# KiCad board 2000ATX.kicad_pcb (continued)
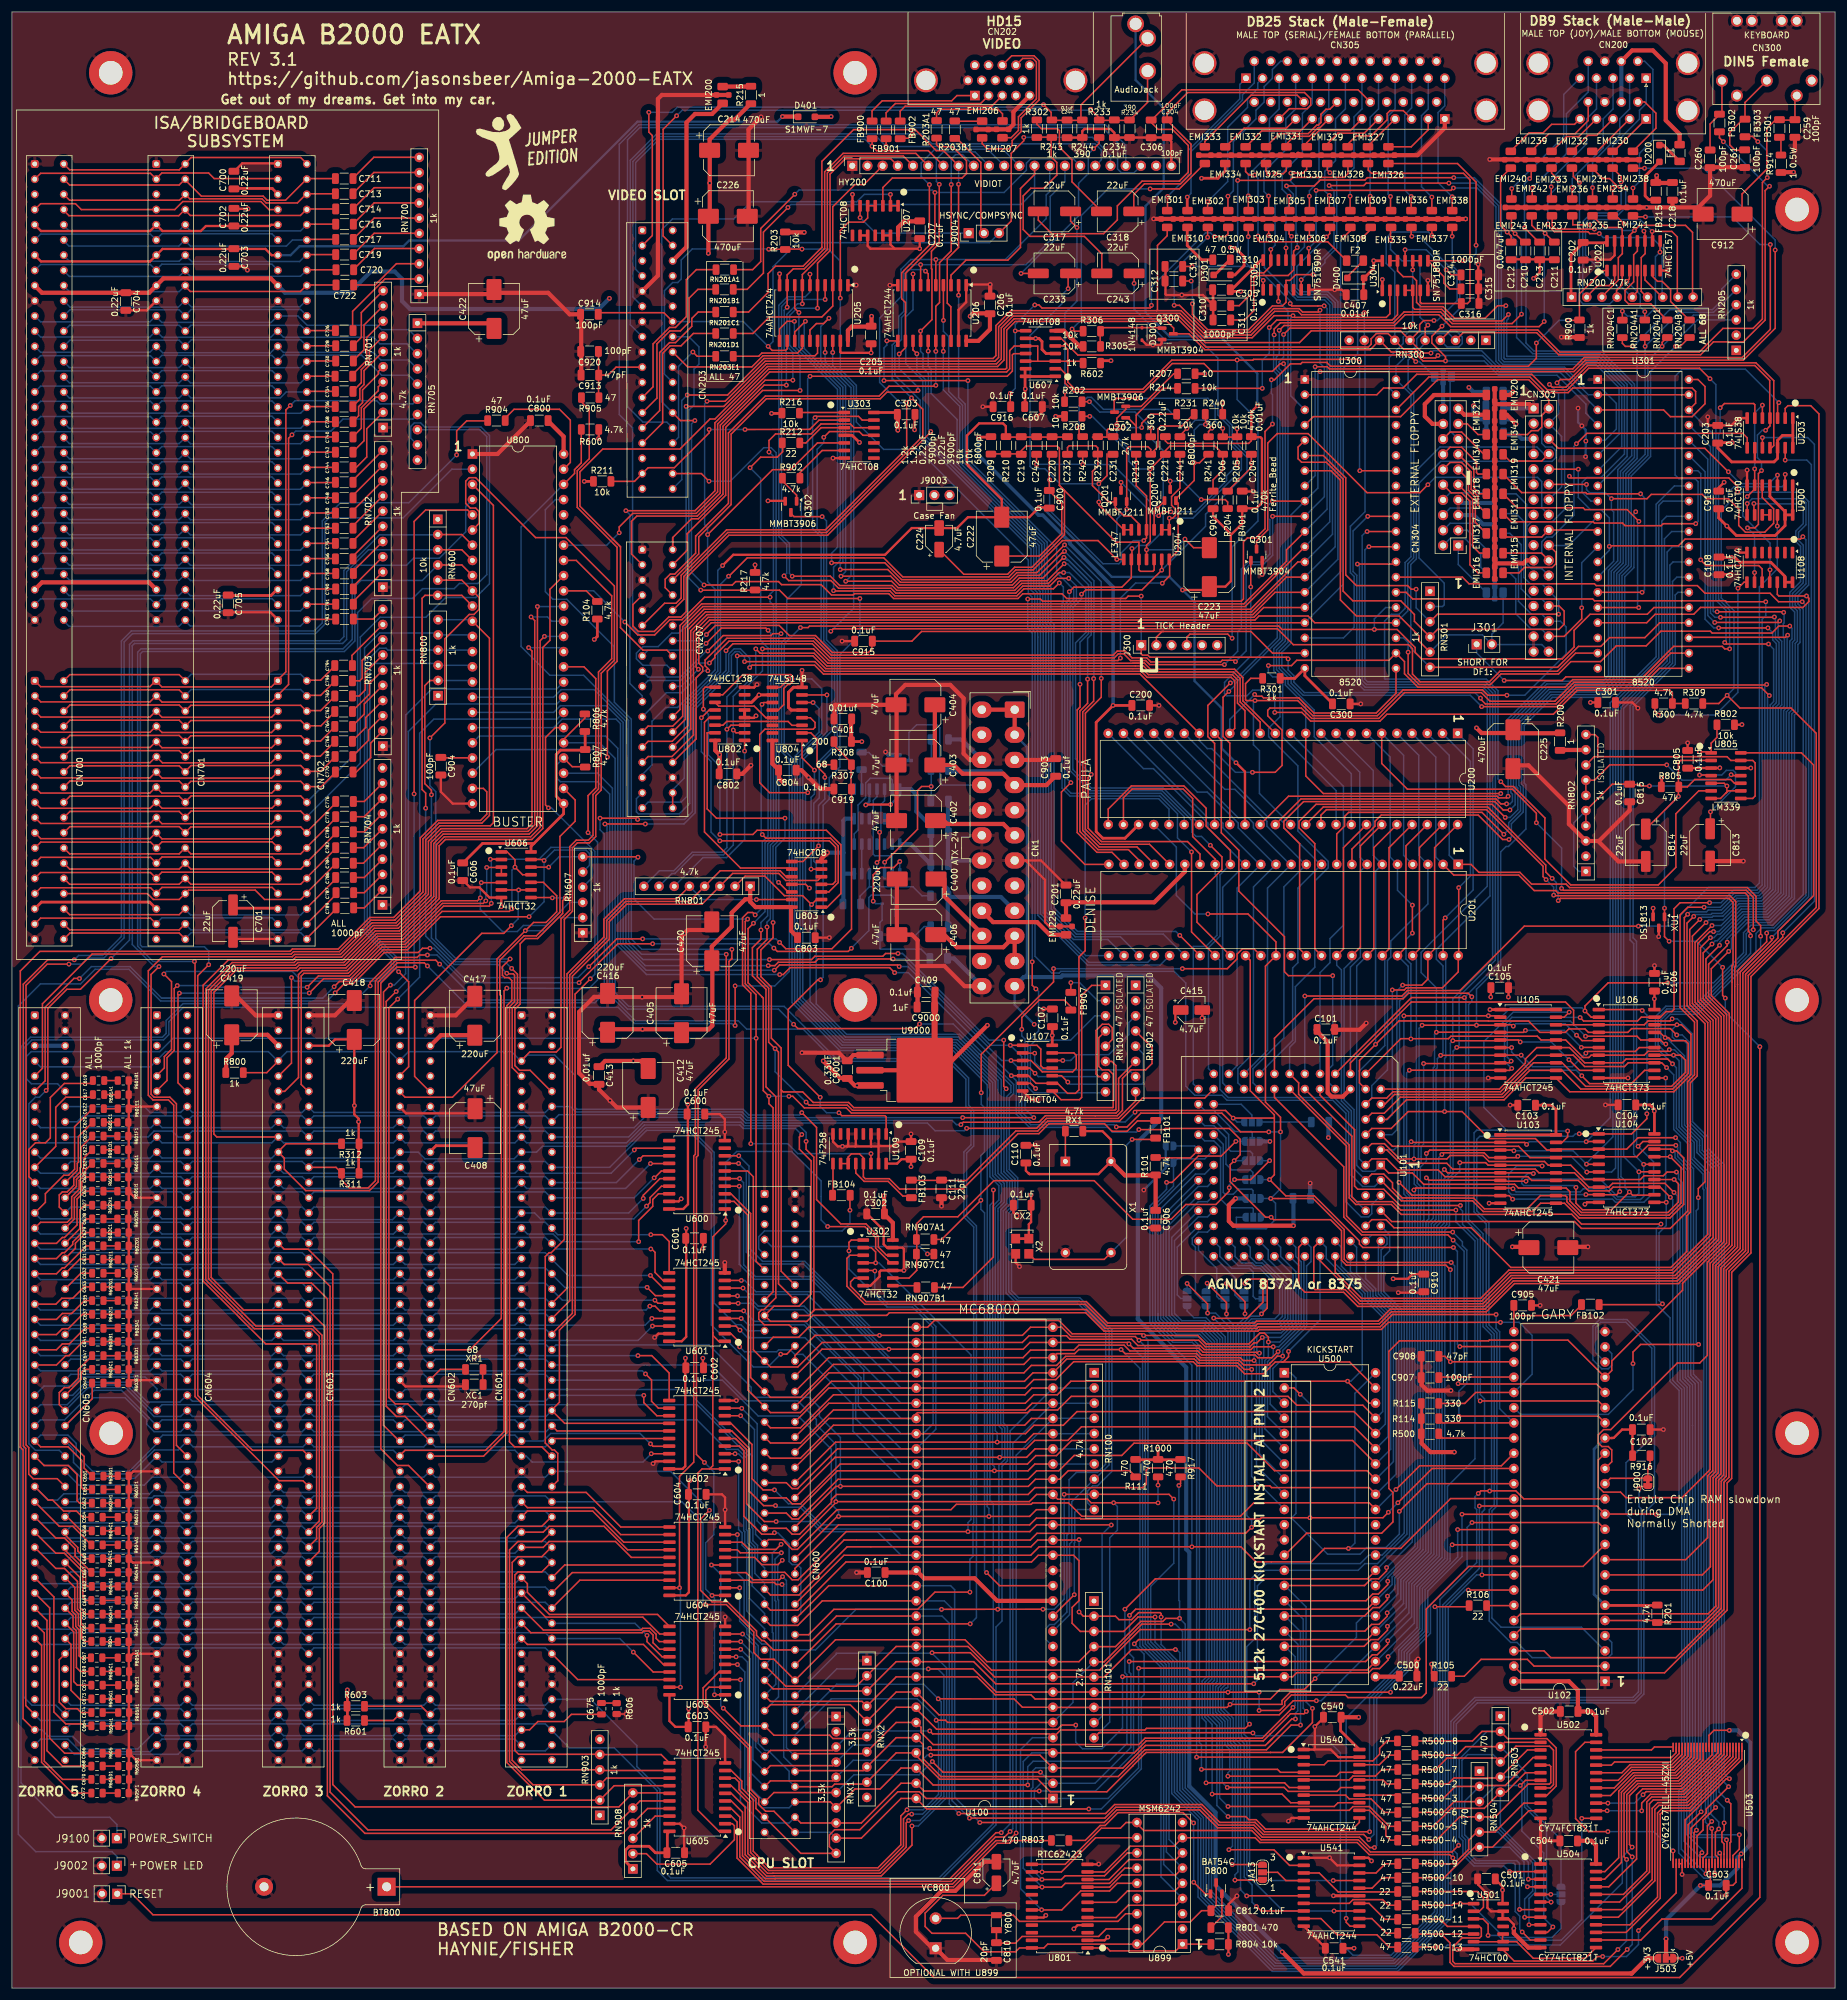
[diagram p0: board, top side]
## Routing (per net, layer and track width the routed paths; a pad name or vN(x,y) marks a point on that pad's centre or on a via; arc(x,y) is an arc through that point) (continued)
A6: length 162.5
  Top w0.25: U600.6 122.99,136.53 123.95,135.57 123.95,106.64 CN600.23 126.81,103.78 131.38,103.78 135.48,107.87 168.92,107.87 170.05,109 176.3,109 176.88,108.42 187.18,108.42 188.24,107.36 198.67,107.36 199.35,106.68 207.13,106.68 207.6,107.15 v1(210.88,107.15)
  Bottom w0.25: U500.5 209.91,95.48 209.91,104.67 210.88,105.64 v1(210.88,107.15) 211.79,107.15 215.55,110.91 215.55,121.34 214.65,122.25 214.65,123.78 U101.65
A7: length 167
  Top w0.25: v1(121.59,133.98) U600.4 ; v1(211.68,106.35) 210.65,105.32 208.3,105.32 207.83,105.78 198.9,105.78 198.23,106.46 186.9,106.46 185.94,107.42 178.38,107.42 177.55,106.6 170.29,106.6 169.03,105.33 136.57,105.33 CN600.28
  Bottom w0.25: v1(121.59,133.98) 121.59,120.95 124.1,118.44 133.63,118.44 146.74,105.33 U100.35 ; 216,122.12 216,110.72 211.68,106.4 v1(211.68,106.35) 211.68,105.81 210.36,104.48 210.36,97.57 U500.4
A8: length 459.2
  Top w0.25: v1(121.94,118.24) U601.9 ; U300.38 236.89,269.2 253.78,269.2 256.39,266.6 260.18,266.6 260.95,267.37 280.91,267.37 281.49,266.78 281.49,264.83 U301.38 ; U101.67 215.12,123.78 215.12,117.32 216.18,116.26 222.65,116.26 225.01,113.9 246.11,113.9 250.83,118.61 278.23,118.61 284.86,125.24 284.86,161.93 281.85,164.94 281.85,174.54 283.85,176.53 v1(284.48,176.53) ; v1(212.45,105.59) 211.56,105.59 210.09,104.13 205.93,104.13 205.17,104.88 198.53,104.88 197.86,105.56 176.17,105.56 174.65,104.04 170.42,104.04 169.18,102.79 136.57,102.79 CN600.30 ; v1(285.09,229.97) 296.11,229.97
  Bottom w0.25: v1(296.21,229.87) 296.28,229.81 296.28,228.1 296.15,227.97 296.15,225.76 296.34,225.57 296.34,214.22 295.76,213.64 295.76,182.99 293.07,180.3 289.14,180.3 285.37,176.53 v1(284.48,176.53) ; v1(285.09,229.97) 284.53,229.97 284.42,230.08 284.42,259.65 U301.38 ; U500.3 210.81,99.66 210.81,103.51 212.45,105.16 212.45,106.53 216.45,110.53 216.45,120.65 217.19,121.39 217.19,123.78 U101.67 ; U100.36 148.64,102.79 135.08,116.35 124.39,116.35 122.51,118.24 v1(121.94,118.24)
A9: length 445.9
  Top w0.25: v1(122.22,116.97) U601.8 ; 130.91,94.62 136.55,100.25 169.43,100.25 170.85,101.67 174.52,101.67 177.51,104.66 197.48,104.66 198.16,103.98 204.75,103.98 206.09,102.65 209.25,102.65 211.21,104.61 212.33,104.61 ; U500.41 223.64,104.61 212.33,104.61 ; U101.68 218.69,121.54 225.44,114.8 245.74,114.8 250.45,119.51 277.73,119.51 283.96,125.75 283.96,161.52 280.95,164.53 280.95,175.77 v1(283.23,178.04) ; 212.33,104.61 212.54,104.61 213.43,105.5 v1(213.43,106.38) ; v1(285.65,229.05) 294.61,229.05
  In1.Cu w0.25: U300.37 233.73,261.16 235.16,262.59 260.06,262.59 260.36,262.29 276.41,262.29 277.54,261.16 U301.37
  Bottom w0.25: v1(294.66,229.1) 294.83,228.93 294.83,225.46 295.44,224.85 295.44,214.59 294.86,214.02 294.86,183.36 292.69,181.2 288.76,181.2 286.05,178.48 283.67,178.48 v1(283.23,178.04) ; v1(285.65,229.05) 284.7,229.05 283.97,229.78 283.97,257.56 U301.37 ; U100.37 148.64,100.25 132.99,115.9 123.29,115.9 v1(122.22,116.97) ; v1(213.43,106.38) 218.69,111.64 U101.68
A10: length 457.6
  Top w0.25: v1(121.3,115.66) 119.22,115.66 ; v1(295.55,228.45) 295.3,228.19 v1(284.68,228.19) ; U101.69 217.66,123.78 217.66,116.91 217.86,116.71 222.89,116.71 225.25,114.35 245.93,114.35 250.64,119.06 278.05,119.06 284.41,125.43 284.41,161.7 281.4,164.72 281.4,174.72 v1(284.23,177.55) ; CN600.34 136.57,97.71 169.41,97.71 170.83,99.13 174.77,99.13 177.05,101.4 223.24,101.4 223.25,101.4 v1(223.3,101.4) 223.3,101.35 226.91,97.74 228.04,97.74
  In1.Cu w0.25: U301.36 277.51,258.62 276.34,259.8 260.41,259.8 260.16,260.05 235.26,260.05 233.83,258.62 U300.36
  Bottom w0.25: v1(295.55,228.45) 295.28,228.17 295.28,225.64 295.89,225.04 295.89,214.41 295.31,213.83 295.31,183.18 292.88,180.75 288.95,180.75 285.75,177.55 v1(284.23,177.55) ; U101.69 219.73,123.78 219.73,121.9 225.76,115.87 225.76,103.3 223.86,101.4 v1(223.3,101.4) ; v1(121.3,115.66) 121.5,115.45 123.25,115.45 124.76,113.94 132.44,113.94 147.52,98.86 147.52,98.84 148.64,97.71 U100.38 ; U301.36 283.52,255.47 283.52,229.36 v1(284.68,228.19)
A11: length 448.7
  Top w0.25: CN600.36 136.57,95.17 150.42,95.17 151.38,96.14 169.78,96.14 170.23,96.59 174.82,96.59 177.1,98.86 213.34,98.86 214.82,97.38 225.86,97.38 228.04,95.2 ; v1(282.19,178.56) 280.5,176.87 280.5,164.34 283.51,161.33 283.51,125.93 277.54,119.96 250.27,119.96 245.55,115.25 225.62,115.25 221.23,119.64 U101.70 ; v1(121.41,114.42) 119.19,114.42 ; v1(293.57,227.28) 293.57,227.28 v1(285.34,227.28)
  In1.Cu w0.25: U301.35 277.51,256.08 276.39,257.21 260.36,257.21 260.06,257.51 235.31,257.51 233.88,256.08 U300.35
  Bottom w0.25: v1(121.41,114.42) 123.65,114.42 124.71,113.36 132.38,113.36 142.41,103.33 142.41,101.41 148.64,95.17 U100.39 ; U301.35 283.07,253.38 283.07,228.73 284.52,227.28 v1(285.34,227.28) ; 228.04,95.2 229.17,96.32 229.17,112.08 226.21,115.04 226.21,116.06 221.23,121.03 U101.70 ; v1(282.19,178.56) 282.56,178.93 284.23,178.93 284.42,179.12 286.05,179.12 288.58,181.65 292.51,181.65 294.41,183.55 294.41,214.2 294.99,214.78 294.99,224.66 294.38,225.27 294.38,226.47 v1(293.57,227.28)
A12: length 225
  Top w0.25: v1(122.33,113.16) U601.5 ; U302.1 140.31,124.98 139.94,124.61 v1(139.94,123.18) ; CN600.38 136.57,92.63 169.45,92.63 170.85,94.03 175.77,94.03 178.06,96.32 224.38,96.32 228.04,92.66
  Bottom w0.25: 228.04,92.66 229.62,94.23 229.62,112.27 226.66,115.23 226.66,116.25 222.27,120.63 222.27,123.78 U101.71 ; U100.40 152.36,92.63 154.01,94.29 154.01,110.34 150.56,113.79 146.3,113.79 139.94,120.16 v1(139.94,123.18) ; v1(122.33,113.16) 124.08,111.4 132.52,111.4 141.96,101.96 141.96,99.32 148.64,92.63 150.6,92.63
A13: length 227.5
  Top w0.25: v1(121.92,111.89) U601.4 ; v1(144.26,119.82) 144.18,119.9 U302.5 ; CN600.39 129.46,84.44 130.44,83.46 131.36,83.46 138,90.09 169.57,90.09 170.99,91.51 176.54,91.51 178.81,93.78 224.38,93.78 228.04,90.12
  Bottom w0.25: 228.04,90.12 230.07,92.14 230.07,112.45 227.11,115.42 227.11,116.43 223.77,119.77 U101.72 ; v1(144.26,119.82) 144.26,116.47 146.49,114.24 150.75,114.24 154.46,110.53 154.46,93.37 U100.41 148.64,90.09 141.51,97.23 141.51,101.77 132.46,110.82 123.08,110.82 122.01,111.89 v1(121.92,111.89)
A14: length 194.2
  Top w0.25: 228.04,87.58 224.13,91.49 177.15,91.49 174.63,88.97 171.19,88.97 169.77,87.55 138.47,87.55 131.84,80.92 130.44,80.92 129.46,81.9 CN600.41 ; v1(121.72,109.93) 121.03,110.62 U601.3
  Bottom w0.25: U101.73 224.81,123.78 224.81,119.37 227.56,116.62 227.56,115.6 230.52,112.64 230.52,90.05 228.04,87.58 ; v1(121.72,109.93) 122.97,108.68 132.59,108.68 141.06,100.21 141.06,95.14 148.64,87.55 U100.42
A15: length 196.1
  Top w0.25: U601.2 120.2,109.35 121.67,107.88 v1(121.67,107.14) ; CN600.43 129.46,79.36 130.44,78.38 131.49,78.38 138.12,85.01 169.89,85.01 171.31,86.43 175.02,86.43 177.59,88.99 185.55,88.99 187.6,91.04 206.5,91.04 211.09,86.45 226.56,86.45 U500.35
  Bottom w0.25: v1(121.67,107.14) 122.48,106.32 127.86,106.32 128.18,106.64 130.12,106.64 130.88,105.88 132.24,105.88 140.61,97.51 140.61,93.05 148.64,85.01 U100.43 ; 228.04,85.04 230.97,87.96 230.97,112.83 228.01,115.79 228.01,116.83 226.31,118.52 U101.74
A16: length 179.7
  Top w0.25: U602.9 121.99,96.9 v1(122.01,96.87) ; CN600.45 129.46,76.82 130.44,75.84 131.69,75.84 137.02,81.17 137.02,81.63 137.86,82.47 169.89,82.47 171.04,83.62 189.09,83.62 189.65,84.19 189.65,86.53 190.02,86.9 198.45,86.9 201.43,83.91 210.3,83.91 210.59,83.62 226.92,83.62 228.04,82.5
  Bottom w0.25: 228.04,82.5 231.42,85.87 231.42,113.02 228.46,115.98 228.46,124.42 ; v1(122.01,96.87) 124.59,94.3 124.59,78.06 CN600.45
A17: length 209.4
  Top w0.25: U602.8 v1(121.83,95.63) ; CN600.47 126.49,74.93 128.88,74.93 129.32,74.5 129.32,74.43 130.44,73.3 131.32,73.3 137.95,79.93 U100.45 156.99,79.93 157.88,80.83 170.41,80.83 170.64,81.06 176.65,81.06 178.87,78.83 205.38,78.83 207.63,81.08 226.92,81.08 228.04,79.96 ; v1(231.39,83.31) 235.35,87.27 249.01,87.27 U102.33
  Bottom w0.25: v1(121.83,95.63) 124.14,93.32 124.14,77.16 124.32,76.98 124.32,75.79 CN600.47 ; 228.04,79.96 v1(231.39,83.31) 231.87,83.78 231.87,113.2 228.91,116.16 228.91,123.33 229.89,124.32 229.89,125.31 229.35,125.85 227.35,125.85 U101.76
A18: length 243.6
  Top w0.25: CN600.52 130.91,70.12 138.18,77.39 170.15,77.39 171.28,78.52 178.55,78.52 178.69,78.38 208.69,78.38 208.89,78.59 v1(217.02,78.59) 229.21,78.59 v1(230.12,79.5) ; U602.7 120.2,94.36 123.72,90.84 123.72,85.1 125.59,83.24 v1(127.48,83.24) ; U102.34 237.44,86.82 v1(231.71,81.09) ; v1(215.39,99.21) 214.33,100.28 212.8,100.28
  Bottom w0.25: v1(230.12,79.5) v1(231.71,81.09) 232.32,81.69 232.32,113.39 229.36,116.35 229.36,122.22 230.34,123.2 230.34,125.87 U101.77 ; v1(127.48,83.24) 129.8,80.92 131.84,80.92 135.36,77.39 U100.46 ; v1(217.02,78.59) 217.02,97.59 v1(215.39,99.21)
A19: length 261.1
  Top w0.25: CN600.54 139.11,74.86 141.19,74.86 170.25,74.85 171.37,75.98 206.25,75.98 v1(207.26,76.99) ; v1(231.95,79.65) 236.58,84.28 U102.35 ; v1(127.66,80.61) 125.67,80.61 123.27,83.01 123.27,90.17 120.35,93.09 U602.6
  Bottom w0.25: 213.91,78.54 208.82,78.54 v1(207.26,76.99) 207.26,78.14 206.44,78.95 206.44,105.09 206.44,109.76 207.61,110.92 211.75,110.92 212.85,112.03 212.85,117.32 209.02,121.16 208.03,121.16 207.03,122.15 207.03,123.78 U101.59 ; 213.91,78.54 219.96,72.5 225.4,72.5 226.5,73.6 229.69,73.6 231.95,75.86 v1(231.95,79.65) ; 213.91,78.54 214.67,79.3 214.67,101.93 213.78,102.82 U500.1 ; v1(127.66,80.61) 127.92,80.34 131.78,80.34 135.41,76.71 146.78,76.71 148.64,74.85 U100.47
A20: length 287.1
  Top w0.25: v1(193.04,134.62) 193.94,134.62 198.34,139.02 202.16,139.02 v1(204.62,141.48) ; 251.05,81.79 240.52,81.79 232.2,73.46 223.46,73.46 v1(223.45,73.45) 223.44,73.46 219.46,73.46 217.21,71.21 210.56,71.21 207.98,71.21 205.46,73.73 197.27,73.73 v1(197.27,73.73) 197.27,73.73 171.74,73.73 170.32,72.31 139.11,72.31 CN600.56 ; v1(127.76,77.95) 125.79,77.95 122.82,80.92 122.82,89.98 120.98,91.82 U602.5
  Bottom w0.25: v1(193.04,134.62) 193.04,133.45 190.26,130.67 190.26,111.1 197.27,104.09 v1(197.27,73.73) ; v1(127.76,77.95) 133.53,77.95 135.22,76.26 144.69,76.26 148.64,72.31 U100.48 ; JA2.1 v1(204.62,141.48) ; v1(223.45,73.45) 223.63,73.45 224.53,74.35 224.53,99.37 U500.42
A21: length 248.3
  Top w0.25: U602.4 121.62,90.55 122.37,89.79 122.37,78.83 125.36,75.84 127.23,75.84 v1(127.47,76.08) ; v1(227.79,23.47) 227.03,23.47 225.28,25.21 209.02,25.21 207.46,26.77 201.57,26.77 200.44,27.9 198.59,29.76 184.72,29.76 182.62,27.66 v1(161.81,27.66) ; v1(242.43,79.16) 251.07,79.16 ; U100.50 136.57,67.23 CN600.58
  Bottom w0.25: v1(227.79,23.47) 228.16,23.84 228.16,48.35 233.21,53.4 233.21,55.97 236.71,59.46 236.71,66.38 242.43,72.1 v1(242.43,79.16) ; U100.50 156.93,67.23 157.61,66.56 157.61,31.89 161.81,27.69 v1(161.81,27.66) ; v1(127.47,76.08) 128.04,76.08 129.93,74.18 129.93,71.27 130.44,70.76 131.3,70.76 131.89,70.17 131.89,62.56 CN600.58
A22: length 239
  Top w0.25: v1(120.9,89.28) U602.3 ; v1(160.08,28.39) 182.72,28.39 184.54,30.21 198.77,30.21 201.76,27.22 207.65,27.22 209.21,25.66 226,25.66 v1(226.85,24.82) ; v1(241.71,76.61) 251.05,76.61 ; U100.51 135.47,64.69 131.38,60.6 126.81,60.6 CN600.57
  Bottom w0.25: CN600.57 125.83,62.58 123.3,65.11 123.3,73.4 122.52,74.19 122.52,76.23 122.34,76.41 122.34,88.41 121.47,89.28 v1(120.9,89.28) ; v1(226.85,24.82) 227.7,25.67 227.7,48.52 232.76,53.59 232.76,56.15 236.26,59.65 236.26,66.57 241.71,72.01 v1(241.71,76.61) ; U100.51 155.88,64.69 157.16,63.41 157.16,31.32 160.08,28.4 v1(160.08,28.39)
A23: length 234.2
  Top w0.25: U602.2 121.48,88.01 v1(121.49,88) ; v1(240.79,74.07) 251.05,74.07 ; CN600.59 126.81,58.06 133.75,58.06 137.85,62.15 U100.52 ; v1(226.97,26.11) 209.4,26.11 207.82,27.69 207.81,27.67 201.94,27.67 198.96,30.66 184.35,30.66 182.85,29.16 v1(158.3,29.16)
  Bottom w0.25: v1(240.79,74.07) 240.44,73.72 240.44,71.76 240.44,71.39 235.81,66.75 235.81,59.83 232.31,56.34 232.31,53.78 226.97,48.44 v1(226.97,26.11) ; U100.52 155.5,62.15 156.71,60.95 156.71,30.76 158.33,29.14 ; CN600.59 125.83,60.04 122.85,63.02 122.85,73.22 122.07,74 122.07,76.05 121.49,76.63 v1(121.49,88)
AgnusCLK: length 56.7
  Top w0.25: U101.34 199.41,148.71 189,148.71 185.15,144.87 173.15,144.87 171.5,143.21 167.83,143.21 159.55,134.93 155.41,134.93 ; 150.47,134.95 155.39,134.95
AUDIN: length 33.1
  Top w0.25: 176.04,265.07 v1(176.04,266.73) ; C317.1 176.99,295.24 v1(178.05,294.18)
  Bottom w0.25: v1(178.05,294.18) 178.05,281.89 176.04,279.88 v1(176.04,266.73)
AUDIO: length 420.4
  Top w0.25: 166.17,259.16 175.82,259.16 ; 207.21,259.16 207.21,258.56 206.76,258.11 193.26,258.11 192.84,258.53 192.84,259.16 ; 110.46,197.69 110.46,200.23
  Top w0.381: 203.79,242.82 203.79,235.1 202.87,234.18 C223.1 ; 203.79,242.82 203.79,242.96 200.81,245.94 200.81,247.27 ; 203.79,242.82 205.69,244.72 205.69,247.27 208.07,247.27 208.98,248.18 208.98,258.89 208.72,259.16 207.21,259.16 207.21,263.39 208.21,264.39 v1(208.21,264.39) ; v1(254.41,285.68) 255.42,286.69 255.42,288.87 ; U200.34 206.15,203.25 v1(204.65,204.75) ; v1(195.71,233.61) 199.62,233.61 ; C222.2 165.48,248.77 159.85,254.4 159.9,254.45 159.65,254.7 159.65,259.4 161.7,261.45 165.7,261.45 166.17,260.98 166.17,259.16 ; C222.2 159.83,245.78 158.01,243.96 C224.2 150.44,243.96 145.97,239.5 120.6,239.5 118.81,237.71 v1(118.81,237.69) ; C222.2 170.09,245.78 v1(171.7,247.4) 173.4,247.4 ; 250.65,288.87 257.86,288.87
  In1.Cu w0.381: v1(254.41,285.68) 245.87,285.68 240.51,280.32 234.97,280.32 232.64,277.99 221.81,277.99 209.61,265.79 209.6,265.79 v1(208.21,264.39)
  Bottom w0.25: 110.46,200.23 112.4,202.16 112.4,214.46 118,220.06 118,236.88 v1(118.81,237.69)
  Bottom w0.381: v1(171.7,247.4) 172.28,247.4 183.88,235.8 193.52,235.8 v1(195.71,233.61) 197.72,231.6 197.72,218.4 202.26,213.86 202.26,207.14 v1(204.65,204.75) ; v1(208.21,264.39) 208.21,269.79 202.01,275.99 193.51,275.99 189.52,279.99 189.52,297.77 192.56,300.82 192.56,314.12 187.86,318.82 CN205.S
AUDOUT: length 39.9
  Top w0.25: C243.2 182.21,289.78 179.29,292.7 170.21,292.7 169.06,293.85 169.06,299.47 170.33,300.74 172.5,300.74 174.68,302.93 174.68,305.06 173.74,306 173.74,309.29 171.35,309.29
B0: length 88
  Top w0.25: v1(154.31,300.04) 154.31,291.43 149.38,286.51 U206.9 ; RN201A1.1 123.84,287.15 125.19,288.49 125.19,294.02 130.89,299.72 v1(130.89,299.74) 130.91,299.74 130.89,299.72
  Bottom w0.25: v1(130.89,299.74) 131.59,300.44 153.9,300.44 v1(154.31,300.04) 165.88,300.04 169.6,303.77 169.6,304.94 170.34,305.67 177.41,305.67 HY200.16
B1: length 131.1
  Top w0.25: U206.7 v1(151.92,287.97) ; CN207.10 112.33,232.07 112.33,235.87 119.67,243.22 136.18,243.22 152.27,259.31 152.27,263.8 150.39,265.69 ; 150.39,265.69 v1(150.39,265.72) 150.36,265.72 150.39,265.69
  Bottom w0.25: 147.76,268.34 147.29,268.82 147.16,268.82 ; 147.76,268.34 v1(150.39,265.72) ; 147.76,268.34 147.16,268.94 147.16,274.54 148.26,275.64 148.26,279.33 149.09,280.16 149.09,287.02 150.05,287.97 v1(151.92,287.97) 169.53,287.97 173.58,292.03 173.58,299.37 176.05,301.83 HY200.15
B2: length 133.8
  Top w0.25: U206.5 v1(154.46,288.84) ; CN207.11 109.11,231.39 111.02,231.39 111.88,232.25 111.88,236.06 119.49,243.67 136,243.67 149.59,257.26 v1(149.59,264.89)
  Bottom w0.25: HY200.14 173.51,300.22 172.91,299.62 172.91,295.67 166.08,288.84 v1(154.46,288.84) 150.27,288.84 148.64,287.2 148.64,287.19 148.64,282.62 145.07,279.04 145.07,268.3 148.47,264.89 v1(149.59,264.89)
B3: length 95.3
  Top w0.25: HY200.13 170.97,303.05 168.61,300.69 168.61,290.85 166.5,288.73 159.51,288.73 157,286.23 U206.3 ; RN201B1.1 122.91,283.85 125.64,286.57 125.64,293.42 129.74,297.52 v1(129.74,297.54)
  Bottom w0.25: HY200.13 170.97,300.28 168.72,298.03 130.22,298.03 v1(129.74,297.54)
BA1: length 133.6
  Top w0.25: v1(104.78,124.71) 104.78,128.26 107.13,130.62 107.13,131.77 108.08,132.72 U600.18 ; 13.41,137.79 12.29,136.68 12.29,135.99 11.23,134.93 11.23,133.47 9.98,132.22 9.98,128.7 9.23,127.95 4.79,127.95 CN605.29
  Bottom w0.25: 3.78,126.97 4.76,125.99 23.12,125.99 24.1,126.97 25.08,125.99 43.44,125.99 44.42,126.97 45.4,125.99 63.76,125.99 64.74,126.97 65.72,125.99 84.08,125.99 85.06,126.97 ; CN601.29 86.17,125.99 90.49,125.99 91.77,124.71 v1(104.78,124.71)
BA2: length 134.5
  Top w0.25: U600.17 108.58,133.98 106.68,132.08 106.68,131.24 v1(106.1,130.66) ; 13.48,146.94 10.47,143.93 10.47,136.81 9.49,135.83 8.67,135.83 5.59,132.74 5.59,131.29 CN605.27
  Bottom w0.25: v1(106.1,130.66) 103.97,128.53 88.36,128.53 87.38,129.51 85.06,129.51 84.08,128.53 65.72,128.53 64.74,129.51 63.63,128.4 45.53,128.4 44.42,129.51 43.44,128.53 25.08,128.53 24.1,129.51 23.12,128.53 4.76,128.53 3.78,129.51
BA3: length 116
  Top w0.25: v1(107.37,135.38) 107.42,135.38 108.56,136.53 U600.15 ; 13.41,140.08 12,138.67 12,137.02 11.84,136.86 11.84,136.18 10.78,135.12 10.78,133.95 CN605.26
  Bottom w0.25: v1(107.37,135.38) 104.04,132.05 90.14,132.05 89.16,133.03 70.8,133.03 69.82,132.05 68.84,133.03 50.48,133.03 49.5,132.05 48.52,133.03 30.16,133.03 29.18,132.05 28.2,133.03 9.84,133.03 8.86,132.05
BA4: length 118.1
  Top w0.25: 13.48,144.65 11.1,142.28 11.1,138 10.92,137.82 10.92,136.63 CN605.24 ; U600.13 105.51,139.06 v1(104.89,138.44)
  Bottom w0.25: 8.86,134.59 9.84,135.57 28.2,135.57 29.18,134.59 30.16,135.57 48.52,135.57 49.5,134.59 50.48,135.57 68.84,135.57 69.82,134.59 70.8,135.57 89.16,135.57 90.14,134.59 101.04,134.59 v1(104.89,138.44)
BA5: length 130.1
  Top w0.25: v1(104.05,140.04) 104.34,140.34 U600.12 ; CN605.21 7.31,140.64 7.31,147.17 9,148.85 13.11,148.85 13.54,149.29
  Bottom w0.25: 3.78,137.13 4.76,136.15 23.12,136.15 24.1,137.13 25.08,136.15 43.44,136.15 44.42,137.13 45.4,136.15 63.76,136.15 64.74,137.13 65.72,136.15 84.08,136.15 85.06,137.13 86.04,136.15 100.16,136.15 v1(104.05,140.04)
BA6: length 136.8
  Top w0.25: v1(106.76,137.77) 109.85,137.77 ; 13.54,151.64 13.05,151.15 8.76,151.15 6.41,148.81 6.41,142.05 5.6,141.23 3.92,141.23 2.83,140.15 2.83,135.57 CN605.23
  Bottom w0.25: v1(106.76,137.77) 102.6,133.61 86.04,133.61 85.06,134.59 84.08,133.61 65.72,133.61 64.74,134.59 63.76,133.61 45.4,133.61 44.42,134.59 43.44,133.61 25.08,133.61 24.1,134.59 23.12,133.61 4.76,133.61 3.78,134.59
BA7: length 123
  Top w0.25: v1(105.54,131.95) 105.54,132.47 108.33,135.25 U600.16 ; 13.43,142.37 11.55,140.49 11.55,137.21 11.39,137.05 11.39,136.37 10.33,135.31 10.33,134.13 9.23,133.03 8.42,133.03 7.91,132.53 7.91,130.49 CN605.28
  Bottom w0.25: 8.86,129.51 9.84,130.49 28.2,130.49 29.18,129.51 30.16,130.49 48.52,130.49 49.5,129.51 50.48,130.49 68.84,130.49 69.82,129.51 70.8,130.49 89.16,130.49 90.14,129.51 103.11,129.51 v1(105.54,131.95)
BA8: length 121.4
  Top w0.25: v1(106.81,125.88) 108.74,125.88 109.88,124.74 U601.11 ; CN605.30 10.43,128.51 10.43,132.03 11.68,133.29 11.68,134.75 12.45,135.51 13.41,135.51
  Bottom w0.25: v1(106.81,125.88) 91.24,125.88 89.16,127.95 70.8,127.95 69.82,126.97 68.84,127.95 50.48,127.95 49.5,126.97 48.52,127.95 30.16,127.95 29.18,126.97 28.2,127.95 9.84,127.95 8.86,126.97
BA9: length 117.8
  Top w0.25: v1(106.81,123.49) 106.96,123.49 107.52,122.94 107.52,119.57 108.85,118.24 U601.12 ; CN605.32 11.33,126.87 11.33,130.01 12.13,130.81 13.41,130.81
  Bottom w0.25: v1(106.81,123.49) 91.08,123.49 89.16,125.41 70.8,125.41 69.82,124.43 68.84,125.41 50.48,125.41 49.5,124.43 48.52,125.41 30.16,125.41 29.18,124.43 28.2,125.41 9.84,125.41 8.86,124.43
BA10: length 113.1
  Top w0.25: v1(106.75,119.07) 108.85,116.97 U601.13 ; CN605.34 10.6,123.61 10.6,124.46 12.38,126.24 13.41,126.24
  Bottom w0.25: v1(106.75,119.07) 92.97,119.07 89.16,122.87 70.8,122.87 69.82,121.89 68.84,122.87 50.48,122.87 49.5,121.89 48.52,122.87 30.16,122.87 29.18,121.89 28.2,122.87 9.84,122.87 8.86,121.89
BA11: length 111.3
  Top w0.25: v1(106.19,117.08) 107.57,115.7 U601.14 ; 13.41,121.79 11.33,121.79 CN605.36
  Bottom w0.25: v1(106.19,117.08) 92.42,117.08 89.16,120.33 70.8,120.33 69.82,119.35 68.84,120.33 50.48,120.33 49.5,119.35 48.52,120.33 30.16,120.33 29.18,119.35 28.2,120.33 9.84,120.33 8.86,119.35
BA12: length 110.9
  Top w0.25: v1(107.49,114.94) 108,114.43 U601.15 ; 13.41,119.44 11.52,119.44 CN605.38
  Bottom w0.25: v1(107.49,114.94) 92.02,114.94 89.16,117.79 70.8,117.79 69.82,116.81 68.84,117.79 50.48,117.79 49.5,116.81 48.52,117.79 30.16,117.79 29.18,116.81 28.2,117.79 9.84,117.79 8.86,116.81
BA13: length 121.1
  Top w0.25: v1(106.65,113.94) 107.52,113.94 108.31,113.16 U601.16 ; 13.41,117.16 12.07,117.16 10.16,115.25 8.32,115.25 7.34,114.27 CN605.39
  Bottom w0.25: v1(106.65,113.94) 106,113.29 86.04,113.29 85.06,114.27 84.08,113.29 65.72,113.29 64.74,114.27 63.76,113.29 45.4,113.29 44.42,114.27 43.44,113.29 25.08,113.29 24.1,114.27 23.12,113.29 4.76,113.29 3.78,114.27
BA14: length 121.1
  Top w0.25: U601.17 v1(106.98,111.89) ; CN605.41 7.44,111.73 8.42,112.71 9.97,112.71 12.13,114.87 13.41,114.87
  Bottom w0.25: v1(106.98,111.89) 105.85,110.75 86.04,110.75 85.06,111.73 84.08,110.75 65.72,110.75 64.74,111.73 63.76,110.75 45.4,110.75 44.42,111.73 43.44,110.75 25.08,110.75 24.1,111.73 23.12,110.75 4.76,110.75 3.78,111.73
BA15: length 121.8
  Top w0.25: v1(107.09,110.62) U601.18 ; 13.41,112.59 11.81,112.59 9.4,110.17 8.42,110.17 7.44,109.19 CN605.43
  Bottom w0.25: v1(107.09,110.62) 104.68,108.21 86.04,108.21 85.06,109.19 84.08,108.21 65.72,108.21 64.74,109.19 63.76,108.21 45.4,108.21 44.42,109.19 43.44,108.21 25.08,108.21 24.1,109.19 23.12,108.21 4.76,108.21 3.78,109.19
BA16: length 126.6
  Top w0.25: 13.41,110.24 12.19,110.24 9.59,107.63 8.42,107.63 7.44,106.65 CN605.45 ; U602.11 109.88,102.77 106.97,105.67 v1(104.66,105.67)
  Bottom w0.25: 3.78,106.65 4.76,105.67 23.12,105.67 24.1,106.65 25.08,105.67 43.44,105.67 44.42,106.65 45.4,105.67 63.76,105.67 64.74,106.65 65.72,105.67 84.08,105.67 85.06,106.65 86.04,105.67 v1(104.66,105.67)
BA17: length 125.5
  Top w0.25: CN605.47 7.44,104.11 9,105.67 9.54,105.67 11.87,108.01 13.41,108.01 ; v1(105.92,102.62) 106.93,101.6 106.93,98.04 108.08,96.9 U602.12
  Bottom w0.25: 85.06,104.11 84.08,103.13 65.72,103.13 64.74,104.11 63.76,103.13 45.4,103.13 44.42,104.11 43.44,103.13 25.08,103.13 24.1,104.11 23.12,103.13 4.76,103.13 3.78,104.11 ; CN601.47 86.17,103.13 105.4,103.13 v1(105.92,102.62)
BA18: length 115.1
  Top w0.25: U602.13 107.82,95.63 105.64,97.82 v1(105.64,99.03) ; CN605.52 11.56,101.7 11.56,102.81 12.13,103.38 13.41,103.38
  Bottom w0.25: 90.14,99.03 89.16,98.05 70.8,98.05 69.82,99.03 68.84,98.05 50.48,98.05 49.5,99.03 48.52,98.05 30.16,98.05 29.18,99.03 28.07,97.92 22.62,97.92 19.32,101.23 12.33,101.23 10.13,99.03 CN605.52 ; CN601.52 v1(105.64,99.03)
BA19: length 243.5
  Top w0.25: 90.14,96.49 91.53,97.88 91.53,109.94 94.15,112.56 94.15,114 94.15,166.08 96.69,168.62 v1(96.69,168.64) ; v1(89.69,197.21) 89.2,197.69 89.2,208.96 90.86,210.62 U800.30 ; CN605.54 7.91,97.47 7.91,99.51 8.73,100.33 9.55,100.33 11.11,101.89 11.11,103.36 13.41,105.66 ; U602.14 92.41,94.36 CN601.54
  Bottom w0.25: v1(89.69,197.21) 90.19,197.21 97.45,189.94 97.45,169.41 v1(96.69,168.64) ; CN605.54 12.73,100.33 18.95,100.33 23.76,95.51 28.2,95.51 29.18,96.49 30.16,95.51 48.52,95.51 49.5,96.49 50.48,95.51 68.84,95.51 69.82,96.49 70.8,95.51 89.29,95.51 CN601.54
BA20: length 265.4
  Top w0.25: v1(64.49,165.25) 63.02,163.78 63.02,98.67 64.09,97.6 66.17,97.6 69.82,93.95 ; CN601.56 91.14,93.09 U602.15 ; CN605.56 13.41,98.48 13.41,101.09
  Bottom w0.25: U800.31 91.1,212.03 70.53,212.03 68.16,209.67 68.16,168.92 v1(64.49,165.25) ; CN605.56 13.58,98.65 18.9,98.65 22.52,95.03 22.52,94.21 23.76,92.97 28.2,92.97 29.18,93.95 30.16,92.97 48.52,92.97 49.5,93.95 50.48,92.97 68.84,92.97 69.82,93.95 70.8,92.97 89.29,92.97 CN601.56
BA21: length 269.8
  Top w0.25: v1(64.24,166.52) 62.57,164.85 62.57,97.22 64.27,95.51 65.72,95.51 69.82,91.41 ; CN601.58 90.68,91.82 U602.16 ; 13.41,85.53 12.07,86.88 12.07,88.82 9.48,91.41 CN605.58
  Bottom w0.25: 90.14,91.41 89.16,90.43 70.8,90.43 69.82,91.41 68.84,90.43 50.48,90.43 49.5,91.41 ; U800.32 91.1,214.57 70.88,214.57 66.27,209.96 66.27,168.55 v1(64.24,166.52) ; CN603.58 48.65,90.43 30.29,90.43 CN604.58 27.81,89.92 23.82,89.92 19.82,85.92 12.19,85.92 10.29,87.82 10.29,90.02 CN605.58
BA22: length 284.5
  Top w0.25: v1(63.27,167.59) 62.12,166.44 62.12,94.04 64.74,91.41 ; 109.85,90.53 107.16,90.53 v1(106.76,90.93) ; 13.41,83.31 11.94,83.31 11.62,83.63 11.62,88.2 9.39,90.43 4.79,90.43 CN605.57
  Bottom w0.25: U800.33 91.07,217.08 70.19,217.08 65.82,212.71 65.82,169.49 63.92,167.59 v1(63.27,167.59) ; CN605.57 4.79,92.39 9.36,92.39 10.74,91.02 10.74,89.08 13.46,86.37 19.64,86.37 24.23,90.96 ; 85.06,91.41 84.08,92.39 65.72,92.39 64.74,91.41 63.76,92.39 45.4,92.39 44.42,91.41 ; v1(106.76,90.93) 105.02,92.67 90.08,92.67 88.82,91.41 CN601.57 ; CN604.57 25.21,92.39 43.57,92.39 CN603.57
BA23: length 295.1
  Top w0.25: v1(82.73,167.08) 82.27,166.62 82.27,156.28 82.28,156.27 82.28,92.97 79.16,89.85 65.72,89.85 64.74,88.87 ; U602.18 v1(106.88,89.28) ; U800.34 95.63,220.78 97.61,218.8 97.61,200.55 96.32,199.25 v1(96.32,193.07) ; CN605.59 5.37,87.31 9.4,87.31 10.89,85.82 10.89,81.44 11.3,81.03 13.37,81.03